# EAGLE board UI&KeyHolder&F7-order (EAGLE 9.4.0) (continued)
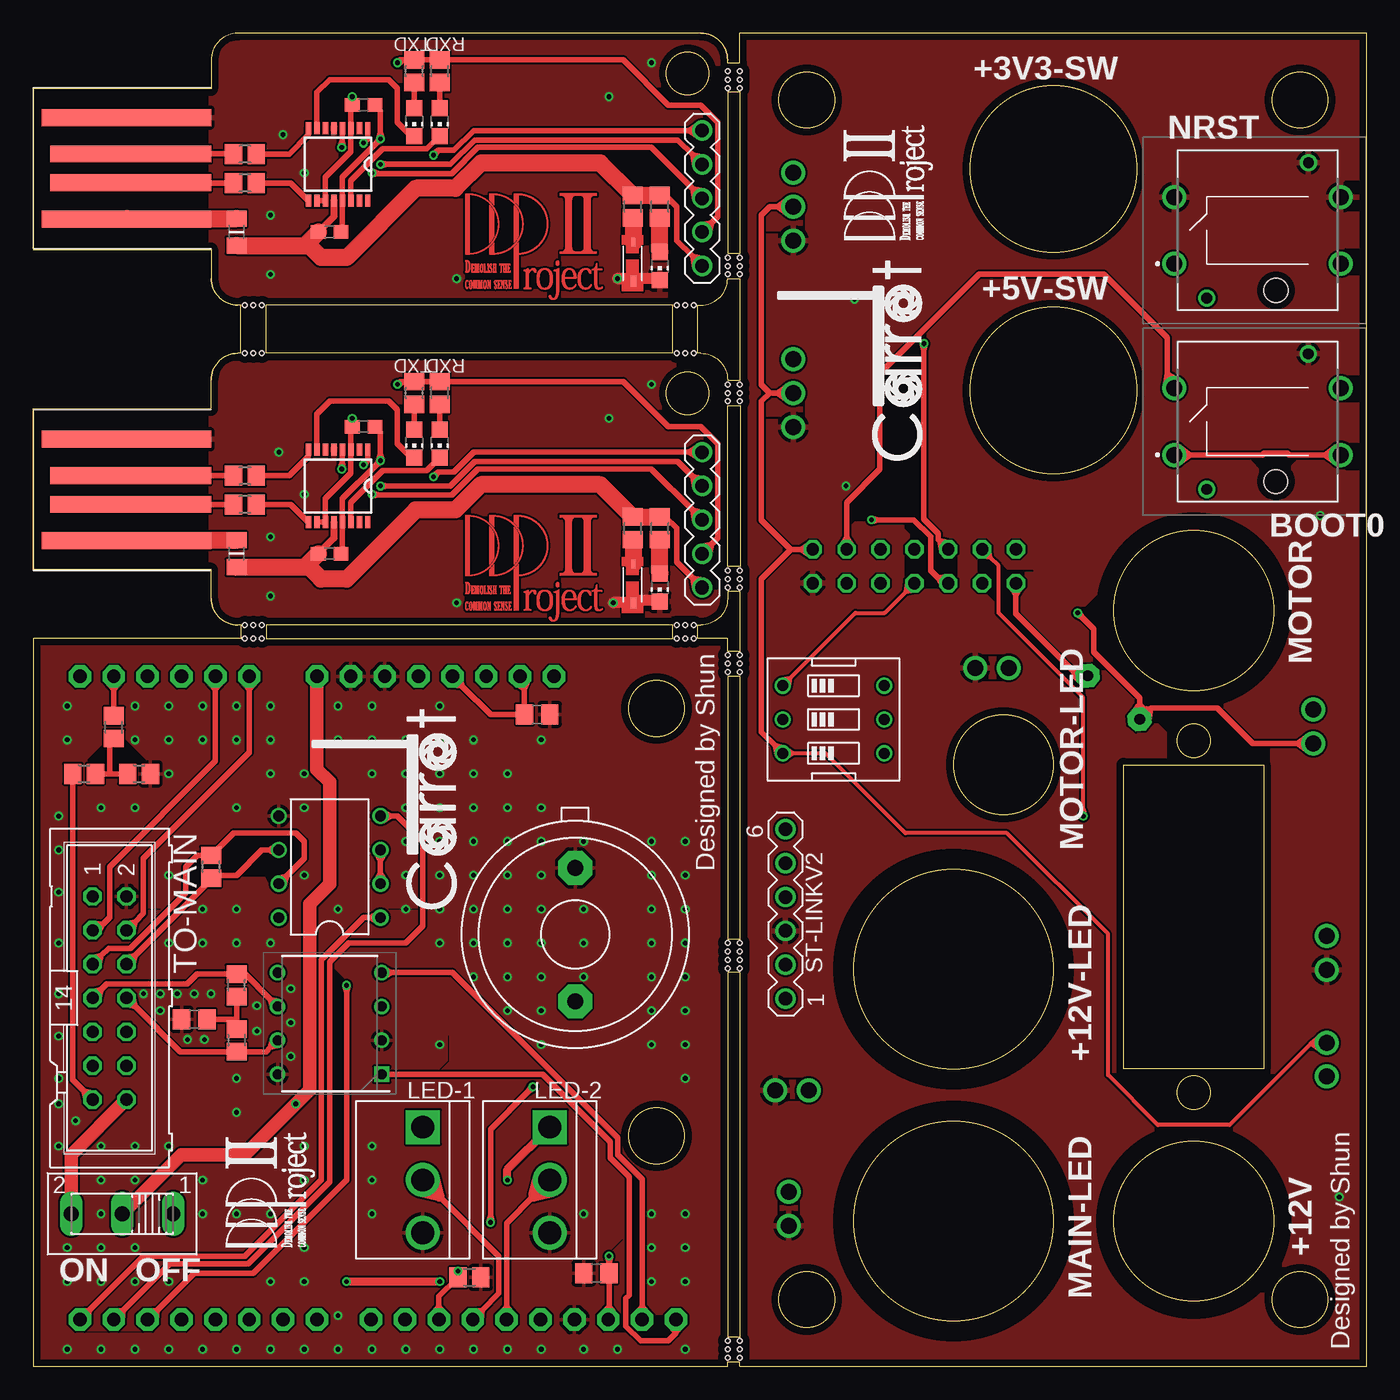
[diagram p0: board, top side]
## Tracks (layer width: path | path; a pad name or v marks a point on that pad's centre or on a via) (continued)
+5VS
  Top 0.305: SW1.1 56.78,51.63 | 56.78,51.63 61.66,56.52 63.85,56.52 65.43,58.1 | 65.43,58.1 TO-MAIN2.7 | 56.78,51.63 56.12,51.51 SW1.1 | 56.78,51.63 56.65,50.98 SW1.1 | 65.43,58.1 66.17,58.22 TO-MAIN2.7 | 65.43,58.1 65.55,58.83 TO-MAIN2.7
+9V  (via drill 0.35)
  Top 0.61: v30.48,6.35 SJ3.1
  Top 1.016: S1.2 11.11,15.88 15.88,15.88 v19.68,19.68 20.73,20.73 20.73,34.7 22.23,36.2 22.23,43.81 21.27,44.77 U$1.VIN
  Bottom 0.61: SJ1.1 v30.48,6.35 | SJ3.1 22.86,6.99 22.86,16.51 v19.68,19.68
  other vias: 23.5,6.35
+12V
  Top 1.016: TO-MAIN.14 2.86,15.88 S1.3
BOOT0
  Top 0.406: S3.1 86.77,68.38 | 86.77,68.38 92.19,68.38 92.31,68.49 94.06,68.49 94.18,68.38 96.86,68.38 | 96.86,68.38 S3.2 | 86.77,68.38 85.97,68.94 S3.1 | 86.77,68.38 85.97,67.81 S3.1 | 96.86,68.38 97.66,67.81 S3.2 | 96.86,68.38 97.66,68.94 S3.2
  Bottom 0.406: STM-R2.1 98.06,65.55 98.06,67.17 | 98.06,67.17 S3.2 | TO-MAIN2.8 66.73,61.93 | 66.73,61.93 68.3,63.5 77.47,63.5 82.34,68.38 84.36,68.38 | 84.36,68.38 S3.1 | 84.36,68.38 85.16,67.81 S3.1 | 84.36,68.38 85.16,68.94 S3.1 | 98.06,67.17 98.63,67.97 S3.2 | 98.06,67.17 97.5,67.97 S3.2 | 66.73,61.93 65.97,61.76 TO-MAIN2.8 | 66.73,61.93 66.55,61.17 TO-MAIN2.8
BUZZER1  (via drill 0.35)
  Top 0.406: U$1.PA11 30.42,4.49 | 30.42,4.49 30.42,5.23 31.8,6.61 | 31.8,6.61 BUZ-R1.1 | v34.29,10.79 34.29,11.32 | 34.29,11.32 34.29,17.78 37.09,20.58 | 37.09,20.58 v37.47,20.95 | 31.8,6.61 31.97,7.09 v31.85,7.13 31.73,7.12 31.8,6.61 | 34.29,11.32 34.17,10.82 v34.29,10.79 | 34.29,11.32 34.41,10.82 v34.29,10.79 | 37.09,20.58 37.53,20.85 v37.47,20.95 | 37.09,20.58 37.36,21.02 v37.47,20.95 | 30.42,4.49 29.93,3.9 U$1.PA11 | 30.42,4.49 30.91,3.9 U$1.PA11
  Top 0.61: BUZ-R1.1 v31.85,7.13
  Bottom 0.406: v31.85,7.13 31.85,7.66 | 31.85,7.66 31.85,8.36 33.92,10.42 | 33.92,10.42 v34.29,10.79 | v37.47,20.95 37.84,21.33 | 37.84,21.33 40.64,24.13 40.64,26.19 SG1.1 | 31.85,7.66 31.73,7.16 v31.85,7.13 | 31.85,7.66 31.97,7.16 v31.85,7.13 | 33.92,10.42 34.35,10.69 v34.29,10.79 | 33.92,10.42 34.18,10.86 v34.29,10.79 | 37.84,21.33 37.4,21.06 v37.47,20.95 | 37.84,21.33 37.57,20.89 v37.47,20.95
  Bottom 0.813: 40.64,26.19 41.24,26.76 SG1.1 40.04,26.76 40.64,26.19
CAN1-RX
  Top 0.406: 48.2,2.49 48.2,2.48 47.62,1.91 45.56,1.91 44.45,3.01 44.45,5.08 44.69,5.32 44.69,14.21 43.26,15.64 43.26,16.84 38.19,21.91 IC4.1 | 48.2,2.49 U$1.PB8 | 48.2,2.49 48.69,3.09 U$1.PB8 | 48.2,2.49 47.71,3.09 U$1.PB8
CAN1-TX
  Top 0.406: 45.66,4.49 45.66,14.03 43.81,15.88 43.81,17.14 31.43,29.53 26.89,29.53 | 45.66,4.49 U$1.PB9 | IC4.4 26.89,29.53 | 45.66,4.49 45.17,3.9 U$1.PB9 | 45.66,4.49 46.15,3.9 U$1.PB9 | 26.89,29.53 26.32,29.85 IC4.4 | 26.89,29.53 26.32,29.2 IC4.4
CAN-H
  Top 0.406: TO-MAIN.8 7.63,26.98 | 7.63,26.98 11.01,23.6 CAN-R1.2 17.47,23.6 17.78,23.91 | 17.78,23.91 IC4.7 | 7.63,26.98 7.46,27.73 TO-MAIN.8 | 7.63,26.98 6.88,27.15 TO-MAIN.8 | 17.78,23.91 18.42,24.08 IC4.7 | 17.78,23.91 17.96,24.55 IC4.7
CAN-L
  Top 0.406: TO-MAIN.7 5.09,28.27 | 5.09,28.27 5.51,28.69 11.54,28.69 12.28,29.43 CAN-R2.2 15.88,29.43 17.78,27.52 | 17.78,27.52 IC4.6 | 5.09,28.27 4.33,28.09 TO-MAIN.7 | 5.09,28.27 4.92,27.51 TO-MAIN.7 | 17.78,27.52 17.96,26.89 IC4.6 | 17.78,27.52 18.42,27.35 IC4.6
EMERGENCY
  Top 0.406: U$1.PA4 13.65,50.75 | 13.65,50.75 13.65,45.4 5.71,37.47 5.71,33.66 5.23,33.17 | 5.23,33.17 4.76,32.7 TO-MAIN.3 | 13.65,50.75 14.14,51.35 U$1.PA4 | 13.65,50.75 13.16,51.35 U$1.PA4 | 5.23,33.17 4.45,33.19 TO-MAIN.3 | 5.23,33.17 4.87,32.48 TO-MAIN.3
F7-F4-SIG1
  Bottom 0.406: TO-MAIN.12 7.63,21.9 | 7.63,21.9 16.19,13.34 16.19,4.49 | 16.19,4.49 U$1.PC8 | 7.63,21.9 7.46,22.65 TO-MAIN.12 | 7.63,21.9 6.88,22.07 TO-MAIN.12 | 16.19,4.49 15.7,3.9 U$1.PC8 | 16.19,4.49 16.68,3.9 U$1.PC8
F7-F4-SIG2
  Bottom 0.406: TO-MAIN.11 5.09,21.9 | 5.09,21.9 5.92,21.07 7.67,21.07 13.65,15.09 13.65,4.49 | 13.65,4.49 U$1.PJ0 | 5.09,21.9 4.92,22.65 TO-MAIN.11 | 5.09,21.9 4.33,22.07 TO-MAIN.11 | 13.65,4.49 13.16,3.9 U$1.PJ0 | 13.65,4.49 14.14,3.9 U$1.PJ0
F7-RS-SIG1
  Bottom 0.406: TO-MAIN.10 7.63,24.44 | 7.63,24.44 21.27,10.79 21.27,4.49 | 21.27,4.49 U$1.PJ3 | 7.63,24.44 7.46,25.19 TO-MAIN.10 | 7.63,24.44 6.88,24.61 TO-MAIN.10 | 21.27,4.49 20.78,3.9 U$1.PJ3 | 21.27,4.49 21.76,3.9 U$1.PJ3
F7-RS-SIG2
  Bottom 0.406: TO-MAIN.9 5.09,24.44 | 5.09,24.44 5.92,23.61 7.67,23.61 18.73,12.54 18.73,4.49 | 18.73,4.49 U$1.PF7 | 5.09,24.44 4.92,25.19 TO-MAIN.9 | 5.09,24.44 4.33,24.61 TO-MAIN.9 | 18.73,4.49 18.24,3.9 U$1.PF7 | 18.73,4.49 19.22,3.9 U$1.PF7
GND  (via drill 0.35)
  Bottom 0.406: 25.4,52.7 25.4,50.8 24.77,50.8 24.77,52.7 25.4,52.7 | 25.15,51.18 25.15,52.32 25.02,52.32 25.4,52.7
  other vias: 25.4,16.51 25.4,13.97 20.32,6.35 20.32,8.89 25.4,11.43 41.27,29.21 46.35,29.21 46.35,26.67 46.35,24.13 33.02,29.21 35.56,29.21 35.56,26.67 30.48,24.13 12.7,13.97 2.54,6.35 2.54,8.89 5.08,8.89 7.62,8.89 7.62,6.35 5.08,6.35 30.48,46.99 30.48,49.53 33.02,46.99 30.48,44.45 33.02,44.45 35.56,44.45 22.86,49.53 25.4,49.53 25.4,46.99 22.86,46.99 20.32,44.45 25.4,44.45 10.16,46.99 10.16,49.53 12.7,49.53 15.24,49.53 15.24,46.99 12.7,46.99 10.16,44.45 2.54,49.53 2.54,46.99 5.08,41.91 10.16,36.83 12.7,34.29 15.24,34.29 10.16,31.75 12.7,31.75 15.24,31.75 30.48,36.83 30.48,39.37 33.02,39.37 35.56,39.37 35.56,36.83 33.02,36.83 30.48,34.29 33.02,34.29 35.56,34.29 38.1,36.83 38.1,39.37 38.1,34.29 41.27,39.37 46.35,39.37 46.35,36.83 41.27,34.29 46.35,34.29 48.9,26.67 48.9,29.21 48.9,24.13 38.1,26.67 38.1,29.21 38.1,24.13 41.27,11.43 46.35,11.43 41.27,1.27 43.81,1.27 33.02,1.27 38.1,1.27 35.56,1.27 25.4,1.27 30.48,1.27 27.94,1.27 22.86,3.81 17.78,6.35 12.7,1.27 15.24,1.27 17.78,1.27 2.54,1.27 5.08,1.27 7.62,1.27 10.16,6.35 10.16,1.27 20.32,1.27 15.24,19.05 20.32,16.51 20.32,13.97 15.24,11.43 17.78,11.43 12.7,11.43 5.08,11.43 5.08,16.51 10.16,16.51 7.62,16.51 5.08,13.97 7.62,13.97 15.24,21.59 20.32,36.83 22.86,34.29 15.24,41.91 17.78,46.99 17.78,49.53 17.78,44.45 7.62,46.99 7.62,49.53 7.62,41.91 27.94,46.99 27.94,44.45 30.48,41.91 33.02,41.91 35.56,41.91 27.94,36.83 27.94,39.37 27.94,34.29 20.32,41.91 17.78,31.75 46.35,8.89 46.35,6.35 48.9,6.35 48.9,8.89 30.48,31.75 33.02,31.75 35.56,31.75 41.27,31.75 46.35,31.75 38.1,31.75 48.9,36.83 48.9,39.37 48.9,34.29 48.9,31.75 38.1,46.99 38.1,41.91 27.94,41.91 48.9,21.59 48.9,11.43 48.9,1.27 13.34,27.94 10.79,27.94 8.26,27.94 9.53,26.67 12.83,24.51 11.56,24.51 12.06,27.94 9.53,27.94 16.76,27.05 16.76,25.15 19.3,25.78 19.3,23.24 19.3,28.32 1.91,27.94 1.91,31.75 1.91,35.56 1.91,38.73 1.91,41.27 1.91,24.77 1.91,21.59 1.91,19.68 1.91,16.51 3.17,18.41 22.86,1.27
  pour Top: 0,54.61 52.07,54.61 52.07,0 0,0
  pour Bottom: 0,54.61 51.44,54.61 51.44,0 0,0
GND2  (via drill 0.35)
  Bottom 0.406: STM-R2.2 97.05,63.81 | 97.05,63.81 v96.52,63.81 | 3V3-FET.2 60,79.05 61,80.05 | R4.1 61,80.05 | 61,80.05 61.07,80.05 | 61.07,80.05 v61.59,80.05 | 5V-FET.2 59.97,65.05 60.59,65.67 | R3.1 61,66.56 | 61,66.56 61,66.08 v60.96,66.04 | 60.59,65.67 v60.96,66.04 | v97.95,12.7 97.95,13.22 | 97.95,13.22 R1.1 | 12V-FET.2 97.95,12.18 | 97.95,12.18 v97.95,12.7 | 97.05,63.81 96.55,63.94 v96.52,63.81 | 97.05,63.81 96.55,63.69 v96.52,63.81 | 61.07,80.05 61.57,79.93 v61.59,80.05 | 61.07,80.05 61.57,80.17 v61.59,80.05 | 61,66.56 60.84,66.08 v60.96,66.04 | 61,66.56 61.08,66.06 v60.96,66.04 | 60.59,65.67 61.02,65.93 v60.96,66.04 | 60.59,65.67 60.85,66.11 v60.96,66.04 | 97.95,13.22 97.83,12.73 v97.95,12.7 | 97.95,13.22 98.07,12.73 v97.95,12.7 | 97.95,12.18 98.07,12.67 v97.95,12.7 | 97.95,12.18 97.83,12.67 v97.95,12.7
  pour Top: 52.96,99.69 100.33,99.69 100.33,0 52.96,0
GNDA  (via drill 0.35)
  Top 0.813: 46.99,81.6 v43.81,81.6 44.82,81.6 U$3.CATHODE
  Bottom 0.406: v43.18,95.25 43.55,95.62 | 43.55,95.62 45.72,97.79 45.83,97.79 | 45.83,97.79 v46.35,97.79 | 43.55,95.62 43.12,95.36 v43.18,95.25 | 43.55,95.62 43.29,95.19 v43.18,95.25 | 45.83,97.79 46.33,97.67 v46.35,97.79 | 45.83,97.79 46.33,97.91 v46.35,97.79
  Bottom 0.813: v17.78,81.92 v17.78,86.36 17.78,87 v20.32,89.53 20.32,90.81 v18.73,92.39 | v43.81,81.6 v31.75,81.6
  pour Top: 13.34,99.69 52.07,99.69 52.07,79.38 13.34,79.38
GNDA1  (via drill 0.35)
  Top 0.813: 46.99,57.47 45.09,57.47 45.01,57.39 U$11.CATHODE v43.5,57.28
  Bottom 0.406: v43.18,71.12 43.55,71.49 | 43.55,71.49 45.72,73.66 45.83,73.66 | 45.83,73.66 v46.35,73.66 | 43.55,71.49 43.12,71.23 v43.18,71.12 | 43.55,71.49 43.29,71.06 v43.18,71.12 | 45.83,73.66 46.33,73.54 v46.35,73.66 | 45.83,73.66 46.33,73.78 v46.35,73.66
  Bottom 0.813: v17.78,57.78 v17.78,62.23 17.78,62.87 v20.32,65.41 20.32,66.67 v18.41,68.58 | v43.5,57.28 v31.75,57.28
  pour Top: 13.34,75.56 52.07,75.56 52.07,55.56 13.34,55.56
HUMAN1
  Top 0.406: TO-MAIN.4 7.63,33.35 | 7.63,33.35 8.26,33.97 8.26,38.1 16.19,46.04 16.19,50.75 | 16.19,50.75 U$1.PA6 | 7.63,33.35 6.88,33.17 TO-MAIN.4 | 7.63,33.35 7.46,32.59 TO-MAIN.4 | 16.19,50.75 16.68,51.35 U$1.PA6 | 16.19,50.75 15.7,51.35 U$1.PA6
LED1
  Top 0.406: U$1.PB15 33.66,4.2 | 33.66,4.2 34.92,5.46 34.92,8.26 30.41,12.77 LED-1.2 | 33.66,4.2 32.9,4.12 U$1.PB15 | 33.66,4.2 33.59,3.43 U$1.PB15
  Top 0.813: 30.41,12.77 30.05,14.18 LED-1.2 29,13.13 30.41,12.77
LED2
  Top 0.406: LED-2.2 37.53,12.77 35.5,10.73 35.5,4.49 | U$1.PB14 35.5,4.49 | 35.5,4.49 35.01,3.9 U$1.PB14 | 35.5,4.49 35.99,3.9 U$1.PB14
  Top 0.813: 37.53,12.77 38.95,13.13 LED-2.2 37.89,14.18 37.53,12.77
LIPO
  Top 0.406: TO-MAIN.13 3.8,20.65 | 3.8,20.65 2.96,21.49 BAT-R1.1 | 3.8,20.65 3.98,19.89 TO-MAIN.13 | 3.8,20.65 4.55,20.47 TO-MAIN.13
LIPO2  (via drill 0.35)
  Top 0.406: 94.8,46.73 91.45,46.73 88.79,49.39 83.83,49.39 83.55,49.11 USB-POLY.1 82.97,49.34 82.97,50.14 79.53,53.59 79.53,55.32 78.71,56.14 | 94.8,46.73 MOTOR-KEY.P$1 | v78.33,56.52 78.71,56.14 | 78.71,56.14 78.44,56.58 v78.33,56.52 | 78.71,56.14 78.27,56.41 v78.33,56.52 | 94.8,46.73 95.59,46.16 MOTOR-KEY.P$1 | 94.8,46.73 95.59,47.3 MOTOR-KEY.P$1
  Top 0.813: USB-POLY.1 82.58,48.82 82.97,49.34 83.36,48.82 USB-POLY.1 | USB-POLY.1 82.9,49.01 83.55,49.11 83.45,48.46 USB-POLY.1
  Bottom 0.406: LED-R1.1 59.69,17.46 59.69,31.75 60.88,32.94 60.92,33.04 60.96,33.16 60.96,52.07 65.41,56.52 77.81,56.52 | 77.81,56.52 v78.33,56.52 | 77.81,56.52 78.31,56.39 v78.33,56.52 | 77.81,56.52 78.31,56.64 v78.33,56.52
LIPO-ADC
  Top 0.406: U$1.PF8 6.03,50.75 | 6.03,50.75 BAT-JP1.2 | 6.03,50.75 6.52,51.35 U$1.PF8 | 6.03,50.75 5.54,51.35 U$1.PF8
MOTOR-FET
  Bottom 0.406: 78.11,61.28 78.22,61.28 79.81,59.69 79.81,56.63 LED-R2.1 | 78.11,61.28 74.61,61.28 | 74.61,61.28 TO-MAIN2.2 | MOTOR-KEY.P$2 95.15,50.12 | 95.15,50.12 94.25,51.02 94.25,59.73 90.06,63.91 80.73,63.91 78.11,61.28 | 74.61,61.28 73.95,61.7 TO-MAIN2.2 | 74.61,61.28 73.95,60.88 TO-MAIN2.2 | 95.15,50.12 95.31,49.16 MOTOR-KEY.P$2 | 95.15,50.12 96.11,49.96 MOTOR-KEY.P$2
N$1  (via drill 0.35)
  Top 0.61: v35.56,13.97 35.56,14.76 LED-2.1
  Bottom 0.61: SJ1.2 v35.56,13.97
N$2
  Bottom 0.406: R2.1 60.97,84.98 R4.2 60.19,84.95 58.1,82.86 3V3-FET.1
N$3
  Bottom 0.406: R5.1 R3.2 59.47,69.95 58.1,68.58 5V-FET.1
N$4
  Top 0.406: CAN-R1.1 15.24,26.04 | 15.24,26.04 CAN-R2.1 | 15.24,26.04 CAN-C1.2
N$5
  Top 0.406: IC1.8 20.64,68.26 19.18,66.8 FT-R9.1
N$6
  Bottom 0.406: SW1.6 63.83,50.25 | 63.83,50.25 63.83,49.33 | 63.83,49.33 SW1.5 | SW1.5 63.83,47.71 | 63.83,47.71 63.83,46.79 | 63.83,46.79 SW1.4 | SW1.4 64.4,45.41 | 64.4,45.41 69.8,40.01 75.56,40.01 79.69,44.13 79.69,45.09 80.96,46.35 82.69,46.35 85.72,49.39 89.74,49.39 93.5,45.63 93.5,35.77 96.15,33.12 | 96.15,33.12 VOLTAGE.P$1 | 63.83,46.79 63.47,46.18 SW1.4 | 63.83,46.79 64.18,46.18 SW1.4 | 64.4,45.41 64.22,46.09 SW1.4 | 64.4,45.41 63.72,45.59 SW1.4 | 63.83,49.33 63.47,48.72 SW1.5 | 63.83,49.33 64.18,48.72 SW1.5 | 63.83,47.71 64.18,48.32 SW1.5 | 63.83,47.71 63.47,48.32 SW1.5 | 63.83,50.25 64.18,50.86 SW1.6 | 63.83,50.25 63.47,50.86 SW1.6 | 96.15,33.12 96.31,32.16 VOLTAGE.P$1 | 96.15,33.12 97.11,32.96 VOLTAGE.P$1
N$7
  Bottom 0.406: R6.1 R1.2 12V-FET.1
N$8
  Bottom 0.406: R6.2 97.95,20.78 97.85,20.88 | 97.85,20.88 12V-KEY.P$2 | 97.85,20.88 97.69,21.84 12V-KEY.P$2 | 97.85,20.88 96.89,21.04 12V-KEY.P$2
N$9
  Bottom 0.406: 3V3-SW.P$1 58.2,89.54 | 58.2,89.54 60.51,89.54 R2.2 | 58.2,89.54 57.41,90.11 3V3-SW.P$1 | 58.2,89.54 57.41,88.97 3V3-SW.P$1
N$10
  Bottom 0.406: 5V-SW.P$1 58.2,75.54 | 58.2,75.54 59.41,75.54 R5.2 | 58.2,75.54 57.41,76.11 5V-SW.P$1 | 58.2,75.54 57.41,74.97 5V-SW.P$1
N$11
  Bottom 0.406: S4.ANODE 88.58,80.7 | 88.58,80.7 91.69,83.82 SW-R1.2 | 88.58,80.7 87.92,80.58 S4.ANODE | 88.58,80.7 88.45,80.05 S4.ANODE
N$12
  Bottom 0.406: S3.ANODE 88.57,66.36 | 88.57,66.36 91.42,69.22 SW-R2.2 | 88.57,66.36 87.92,66.23 S3.ANODE | 88.57,66.36 88.44,65.71 S3.ANODE
N$13
  Top 0.406: TO-MAIN2.1 73.7,57.83 | 73.7,57.83 73.7,56.48 78.27,51.9 78.38,51.8 USB-POLY.2 | 73.7,57.83 74.11,58.49 TO-MAIN2.1 | 73.7,57.83 73.29,58.49 TO-MAIN2.1
  Top 0.813: 78.27,51.9 78.75,51.45 USB-POLY.2 78.84,52.22 78.27,51.9
N$14
  Bottom 0.406: LED-R1.2 58.17,17.08
  Bottom 0.61: 58.17,17.08 58.17,14.6 57.51,13.93 | 57.51,13.93 LIPO-LED.P$1 | 57.51,13.93 56.5,13.66 LIPO-LED.P$1 | 57.51,13.93 57.23,12.93 LIPO-LED.P$1
N$15
  Bottom 0.406: LED-R2.2 74.18,51.76 | 74.18,51.76 73.81,51.76 MOTOR-LED.P$1 | 74.18,51.76 73.82,52.66 MOTOR-LED.P$1 | 74.18,51.76 73.21,51.7 MOTOR-LED.P$1
N$16
  Bottom 0.406: LED-R3.2 58.17,24.7 58.17,21.89 | 58.17,21.89 12V-LED.P$1 | 58.17,21.89 57.6,21.1 12V-LED.P$1 | 58.17,21.89 58.74,21.1 12V-LED.P$1
N$17
  Top 0.406: IC1.9 19.32,64.64 FT-R10.1
N$18
  Top 0.406: FT-R8.1 RX-LED1.A
N$19
  Top 0.406: FT-R2.1 RX-LED.A
N$20
  Top 0.406: TX-LED.A FT-R1.1
N$21
  Top 0.406: TX-LED1.A FT-R7.1
N$22
  Top 0.406: U$2.D+ 15,90.95 FT-R3.2
N$23
  Top 0.406: IC3.8 20.64,92.39 19.18,90.93 FT-R3.1
N$24
  Top 0.406: IC3.9 19.32,88.77 FT-R4.1
N$25
  Top 0.406: U$2.D- 7.32,88.77 FT-R4.2
N$26  (via drill 0.35)
  Top 0.406: C1.2 23.18,85.19 IC3.13 23.18,89.22 25.66,91.7 | v26.04,92.08 26.04,92.6 | 26.04,92.6 26.04,94.19 C2.2 | 25.66,91.7 v26.04,92.08 | 49.15,92.71 33.02,92.71 31.52,91.22 30.38,91.22 | 49.15,92.71 SV1.5 | v30,90.85 30.37,91.22 30.38,91.22 | 26.04,92.6 25.91,92.1 v26.04,92.08 | 26.04,92.6 26.16,92.1 v26.04,92.08 | 25.66,91.7 26.1,91.97 v26.04,92.08 | 25.66,91.7 25.93,92.14 v26.04,92.08 | 30.38,91.22 29.94,90.96 v30,90.85 | 30.38,91.22 30.11,90.79 v30,90.85 | 49.15,92.71 49.86,92.24 SV1.5 | 49.15,92.71 49.86,93.18 SV1.5
  Bottom 0.406: v30,90.85 29.48,90.85 | 29.48,90.85 27.26,90.85 26.41,91.7 | 26.41,91.7 v26.04,92.08 | 26.41,91.7 26.14,92.14 v26.04,92.08 | 26.41,91.7 25.97,91.97 v26.04,92.08 | 29.48,90.85 29.98,90.73 v30,90.85 | 29.48,90.85 29.98,90.97 v30,90.85
N$27
  Top 1.27: U$2.VCC 7.03,86.11 USB-POLY1.2
N$28
  Top 1.27: LED3.A FT-R5.1
N$29
  Top 1.27: FT-R6.1 45.01,86.09 U$3.ANODE
N$30
  Top 0.406: U$10.D+ 15,66.82 FT-R9.2
N$31
  Top 0.406: U$10.D- 7.32,64.64 FT-R10.2
N$32  (via drill 0.35)
  Top 0.406: C3.2 23.18,61.06 IC1.13 23.18,65.09 25.66,67.57 | v26.04,67.94 26.04,68.47 | 26.04,68.47 26.04,70.06 C4.2 | 25.66,67.57 v26.04,67.94 | 49.15,68.58 33.02,68.58 31.52,67.08 30.38,67.08 | 49.15,68.58 SV2.5 | v30,66.72 30.37,67.08 30.38,67.08 | 26.04,68.47 25.91,67.97 v26.04,67.94 | 26.04,68.47 26.16,67.97 v26.04,67.94 | 25.66,67.57 26.1,67.84 v26.04,67.94 | 25.66,67.57 25.93,68.01 v26.04,67.94 | 30.38,67.08 29.94,66.83 v30,66.72 | 30.38,67.08 30.11,66.66 v30,66.72 | 49.15,68.58 49.86,68.11 SV2.5 | 49.15,68.58 49.86,69.05 SV2.5
  Bottom 0.406: v30,66.72 29.48,66.72 | 29.48,66.72 27.26,66.72 26.41,67.57 | 26.41,67.57 v26.04,67.94 | 26.41,67.57 26.14,68.01 v26.04,67.94 | 26.41,67.57 25.97,67.84 v26.04,67.94 | 29.48,66.72 29.98,66.6 v30,66.72 | 29.48,66.72 29.98,66.84 v30,66.72
N$33
  Top 1.27: U$10.VCC 7.03,61.98 USB-POLY2.2
N$34
  Top 1.27: LED1.A FT-R11.1
N$35
  Top 1.27: FT-R12.1 45.01,61.96 U$11.ANODE
N$36
  Top 0.406: BAT-R1.2 5.71,44.45 | BAT-R2.1 5.71,44.45 | 5.71,44.45 5.71,46.77 BAT-JP1.1
N$37
  Bottom 0.61: LED-1.1 26.67,15.39 26.67,6.99 SJ3.2
NRST
  Bottom 0.406: 63.98,62.35 63.1,62.35 62.35,61.6 62.35,61.13 61.02,59.81 60.56,59.81 59.81,59.06 59.81,58.54 58.42,57.15 58.42,39.75 57.13,38.46 | 63.98,62.35 64.61,61.73 64.61,60.84 63.54,59.78 63.54,59.66 | 63.54,59.66 TO-MAIN2.9 | 63.98,62.35 63.98,72.87 73.03,81.92 84.68,81.92 | S4.1 84.77,81.92 84.68,81.92 | S4.1 86.42,83.57 | 86.42,83.57 88.58,85.72 95.06,85.72 97.22,83.57 | 97.22,83.57 S4.2 | ST-LINKV2.5 57.13,38.46 | STM-R1.1 98.06,81.52 | 98.06,81.52 S4.2 | 57.13,38.46 56.3,38.29 ST-LINKV2.5 | 57.13,38.46 56.96,37.63 ST-LINKV2.5 | 63.54,59.66 63.13,59 TO-MAIN2.9 | 63.54,59.66 63.95,59 TO-MAIN2.9 | 84.68,81.92 85.65,82.03 S4.1 | 84.68,81.92 84.89,82.87 S4.1 | 86.42,83.57 85.46,83.4 S4.1 | 86.42,83.57 86.26,82.6 S4.1 | 97.22,83.57 97.38,82.6 S4.2 | 97.22,83.57 98.19,83.4 S4.2 | 98.06,81.52 98.64,82.31 S4.2 | 98.06,81.52 97.5,82.32 S4.2
RS-CHA
  Top 0.406: TO-MAIN.6 7.63,30.81 | 7.63,30.81 13.34,36.51 RS485-S.1 13.55,36.83 15.24,36.83 17.14,38.73 17.6,38.73 | 17.6,38.73 IC2.6 | 7.63,30.81 6.88,30.63 TO-MAIN.6 | 7.63,30.81 7.46,30.05 TO-MAIN.6 | 17.6,38.73 18.21,38.38 IC2.6 | 17.6,38.73 18.21,39.09 IC2.6
RS-CHB
  Top 0.406: TO-MAIN.5 5.09,30.81 | 5.09,30.81 5.64,31.36 7.27,31.36 11.43,35.51 11.43,37.47 12.28,38.31 RS485-S.2 15.03,40.01 19.68,40.01 20.32,39.37 20.32,38.1 18.99,36.77 | IC2.7 18.99,36.77 | 5.09,30.81 4.33,30.63 TO-MAIN.5 | 5.09,30.81 4.92,30.05 TO-MAIN.5 | 18.99,36.77 18.31,36.59 IC2.7 | 18.99,36.77 18.81,36.09 IC2.7
RS-SIG  (via drill 0.35)
  Top 0.406: U$1.PJ1 9.28,4.2 | 9.28,4.2 12.06,6.99 16.51,6.99 23.5,13.97 23.5,28.05 | IC2.2 26.04,37.01 | 26.04,37.01 26.04,37.92 | 26.04,37.92 IC2.3 | 23.5,28.05 v23.5,28.57 | 23.5,28.05 23.62,28.55 v23.5,28.57 | 23.5,28.05 23.37,28.55 v23.5,28.57 | 9.28,4.2 8.51,4.12 U$1.PJ1 | 9.28,4.2 9.2,3.43 U$1.PJ1 | 26.04,37.92 26.39,38.53 IC2.3 | 26.04,37.92 25.68,38.53 IC2.3 | 26.04,37.01 25.68,36.4 IC2.2 | 26.04,37.01 26.39,36.4 IC2.2
  Bottom 0.406: IC2.2 25.46,35.62 | 25.46,35.62 22.86,33.02 22.86,29.21 23.12,28.95 | 23.12,28.95 v23.5,28.57 | 23.12,28.95 23.39,28.51 v23.5,28.57 | 23.12,28.95 23.56,28.68 v23.5,28.57 | 25.46,35.62 26.14,35.8 IC2.2 | 25.46,35.62 25.64,36.3 IC2.2
RXD  (via drill 0.35)
  Top 0.406: IC3.4 23.18,91.96 | 23.18,91.96 23.18,91.49 v23.13,91.44 | 49.45,88.35 46.36,91.44 33.33,91.44 31.37,89.48 25.92,89.48 | 49.45,88.35 SV1.3 | v25.4,89.53 25.45,89.48 25.92,89.48 | 23.18,91.96 23.01,91.48 v23.13,91.44 | 23.18,91.96 23.25,91.46 v23.13,91.44 | 25.92,89.48 25.44,89.65 v25.4,89.53 | 25.92,89.48 25.42,89.41 v25.4,89.53 | 49.45,88.35 49.62,87.52 SV1.3 | 49.45,88.35 50.28,88.18 SV1.3
  Bottom 0.406: v25.4,89.53 25.04,89.53 24.89,89.67 | 24.89,89.67 23.5,91.07 | 23.5,91.07 v23.13,91.44 | 23.5,91.07 23.24,91.5 v23.13,91.44 | 23.5,91.07 23.07,91.33 v23.13,91.44 | 24.89,89.67 25.34,89.43 v25.4,89.53 | 24.89,89.67 25.4,89.66 v25.4,89.53
RXD1  (via drill 0.35)
  Top 0.406: IC1.4 23.18,67.83 | 23.18,67.83 23.18,67.36 v23.13,67.31 | 49.45,64.22 46.36,67.31 33.33,67.31 31.37,65.35 25.92,65.35 | 49.45,64.22 SV2.3 | v25.4,65.41 25.45,65.35 25.92,65.35 | 23.18,67.83 23.01,67.35 v23.13,67.31 | 23.18,67.83 23.25,67.33 v23.13,67.31 | 25.92,65.35 25.44,65.52 v25.4,65.41 | 25.92,65.35 25.42,65.28 v25.4,65.41 | 49.45,64.22 49.62,63.39 SV2.3 | 49.45,64.22 50.28,64.05 SV2.3
  Bottom 0.406: v25.4,65.41 25.04,65.41 24.89,65.55 | 24.89,65.55 23.5,66.94 | 23.5,66.94 v23.13,67.31 | 23.5,66.94 23.24,67.38 v23.13,67.31 | 23.5,66.94 23.07,67.2 v23.13,67.31 | 24.89,65.55 25.34,65.3 v25.4,65.41 | 24.89,65.55 25.4,65.53 v25.4,65.41
RXLED
  Top 0.406: RX-LED.C 29.52,91.34 26.22,91.34 23.81,88.94 IC3.14
RXLED1
  Top 0.406: RX-LED1.C 29.52,67.21 26.22,67.21 23.81,64.81 IC1.14
SWCLK
  Bottom 0.406: ST-LINKV2.2 57.13,30.84 | 57.13,30.84 59.69,33.4 59.69,55.88 62.23,58.42 62.23,59.98 62.89,60.64 | 62.89,60.64 TO-MAIN2.10 | 57.13,30.84 56.3,30.67 ST-LINKV2.2 | 57.13,30.84 56.96,30.01 ST-LINKV2.2 | 62.89,60.64 63.65,60.81 TO-MAIN2.10 | 62.89,60.64 63.07,61.4 TO-MAIN2.10
SWDIO
  Bottom 0.406: ST-LINKV2.4 57.13,35.92 | 57.13,35.92 59.05,37.84 59.05,56.8 60.35,58.1 | 60.35,58.1 TO-MAIN2.11 | 57.13,35.92 56.3,35.75 ST-LINKV2.4 | 57.13,35.92 56.96,35.09 ST-LINKV2.4 | 60.35,58.1 61.11,58.27 TO-MAIN2.11 | 60.35,58.1 60.53,58.85 TO-MAIN2.11
TXD  (via drill 0.35)
  Top 0.406: IC3.1 25.08,92.18 | 25.08,92.18 25.08,92.09 v24.76,91.76 | 49.45,90.89 48.34,92 33.1,92 31.27,90.17 26.56,90.17 | 49.45,90.89 SV1.4 | 26.56,90.17 v26.04,90.17 | 25.08,92.18 24.68,91.86 v24.76,91.76 | 25.08,92.18 24.87,91.71 v24.76,91.76 | 26.56,90.17 26.06,90.29 v26.04,90.17 | 26.56,90.17 26.06,90.05 v26.04,90.17 | 49.45,90.89 49.62,90.06 SV1.4 | 49.45,90.89 50.28,90.72 SV1.4
  Bottom 0.406: v26.04,90.17 25.66,90.54 | 25.66,90.54 24.93,91.27 | 24.93,91.27 24.76,91.45 v24.76,91.76 | 24.93,91.27 24.88,91.78 v24.76,91.76 | 24.93,91.27 24.66,91.7 v24.76,91.76 | 25.66,90.54 25.93,90.11 v26.04,90.17 | 25.66,90.54 26.1,90.28 v26.04,90.17
TXD1  (via drill 0.35)
  Top 0.406: IC1.1 25.08,68.05 | 25.08,68.05 25.08,67.96 v24.76,67.63 | 49.45,66.76 48.34,67.87 33.1,67.87 31.27,66.04 26.56,66.04 | 49.45,66.76 SV2.4 | 26.56,66.04 v26.04,66.04 | 25.08,68.05 24.68,67.73 v24.76,67.63 | 25.08,68.05 24.87,67.58 v24.76,67.63 | 26.56,66.04 26.06,66.16 v26.04,66.04 | 26.56,66.04 26.06,65.92 v26.04,66.04 | 49.45,66.76 49.62,65.93 SV2.4 | 49.45,66.76 50.28,66.59 SV2.4
  Bottom 0.406: v26.04,66.04 25.66,66.41 | 25.66,66.41 24.93,67.14 | 24.93,67.14 24.76,67.32 v24.76,67.63 | 24.93,67.14 24.88,67.65 v24.76,67.63 | 24.93,67.14 24.66,67.57 v24.76,67.63 | 25.66,66.41 25.93,65.97 v26.04,66.04 | 25.66,66.41 26.1,66.15 v26.04,66.04
TXLED
  Top 0.406: IC3.7 21.27,95.57 22.23,96.52 26.67,96.52 27.3,95.89 27.3,93.34 28.36,92.3 TX-LED.C
TXLED1
  Top 0.406: IC1.7 21.27,71.44 22.23,72.39 26.67,72.39 27.3,71.75 27.3,69.22 28.36,68.17 TX-LED1.C
USART6-RX
  Top 0.406: U$1.PC7 4.2,4.2 | 4.2,4.2 8.26,8.26 15.88,8.26 21.59,13.97 21.59,30.48 24.77,33.66 25.22,33.66 | 25.22,33.66 IC2.1 | 4.2,4.2 3.43,4.12 U$1.PC7 | 4.2,4.2 4.12,3.43 U$1.PC7 | 25.22,33.66 25.83,33.3 IC2.1 | 25.22,33.66 25.83,34.01 IC2.1
USART6-TX
  Top 0.406: U$1.PC6 6.74,4.2 | 6.74,4.2 10.24,7.7 16.11,7.7 22.23,13.81 22.23,30.32 23.65,31.75 27.94,31.75 29.21,33.02 29.21,39.37 27.3,41.27 26.85,41.27 | 26.85,41.27 IC2.4 | 6.74,4.2 5.97,4.12 U$1.PC6 | 6.74,4.2 6.66,3.43 U$1.PC6 | 26.85,41.27 26.24,41.63 IC2.4 | 26.85,41.27 26.24,40.92 IC2.4
V+
  Top 0.406: SV1.1 49.45,83.27 | 49.45,83.27 48.26,84.45 48.26,87 47.41,87.84 FT-R5.2 | 49.45,83.27 49.62,82.44 SV1.1 | 49.45,83.27 50.28,83.1 SV1.1
  Top 0.508: C1.1 22.54,86.26 IC3.12
  Top 1.27: 20.36,84.07 C1.1 | USB-POLY1.1 20.36,84.07 | 20.36,84.07 20.7,84.07 21.59,83.19 23.5,83.19 28.68,88.37 31.66,88.37 33.56,90.27 42.54,90.27 FT-R6.2 FT-R5.2
V+1
  Top 0.406: SV2.1 49.45,59.14 | 49.45,59.14 48.26,60.33 48.26,62.87 47.41,63.72 FT-R11.2 | 49.45,59.14 49.62,58.31 SV2.1 | 49.45,59.14 50.28,58.97 SV2.1
  Top 0.508: C3.1 22.54,62.13 IC1.12
  Top 1.27: 20.36,59.94 C3.1 | USB-POLY2.1 20.36,59.94 | 20.36,59.94 20.7,59.94 21.59,59.05 23.5,59.05 28.68,64.24 31.66,64.24 33.56,66.14 42.54,66.14 FT-R12.2 FT-R11.2
VCC  (via drill 0.35)
  Top 0.406: U$1.IOREF 36.83,51.43 36.83,50.8 | 36.83,50.8 STM-C1.2 34.29,48.9 32.14,51.05 | 43.18,4.49 STM-C2.2 43.18,7.73 | 43.18,4.49 43.18,3.55 U$1.AVDD | U$1.3V 32.14,51.05 | v43.18,8.26 43.18,7.73 | 43.18,7.73 43.3,8.23 v43.18,8.26 | 43.18,7.73 43.06,8.23 v43.18,8.26 | 32.14,51.05 32.06,51.81 U$1.3V | 32.14,51.05 31.37,51.12 U$1.3V | 43.18,4.49 42.65,3.92 U$1.AVDD | 43.18,4.49 43.63,3.87 U$1.AVDD | 36.83,50.8 37.11,51.53 U$1.IOREF | 36.83,50.8 36.18,51.21 U$1.IOREF
  Bottom 0.406: U$1.3V 32.14,51.05 | 32.14,51.05 43.18,40.01 43.18,19.88 42.38,19.08 42.38,15.47 43.18,14.67 43.18,8.78 | 43.18,8.78 v43.18,8.26 | 43.18,8.78 43.06,8.28 v43.18,8.26 | 43.18,8.78 43.3,8.28 v43.18,8.26 | 32.14,51.05 32.06,51.81 U$1.3V | 32.14,51.05 31.37,51.12 U$1.3V
VDD
  Top 0.305: 12V-KEY.P$1 95.88,24.27 95.8,24.19 | 95.8,24.19 89.72,18.11 84.35,18.11 80.61,21.84 80.61,32.42 73.03,40.01 65.41,40.01 59.43,45.98 57.02,45.98 | 57.02,45.98 SW1.3 | 57.02,45.98 56.46,46.36 SW1.3 | 57.02,45.98 56.46,45.6 SW1.3 | 95.8,24.19 96.57,23.66 12V-KEY.P$1 | 95.8,24.19 96.5,24.82 12V-KEY.P$1
  Top 0.406: 55.24,73 55.8,73 | 55.8,73 5V-SW.P$2 | 3V3-SW.P$2 55.8,87 | 55.8,87 55.24,87 54.61,86.36 54.61,73.64 55.24,73 | TO-MAIN2.14 57.55,61.28 | 57.55,61.28 56.83,61.28 | 56.83,61.28 54.61,63.5 54.61,72.39 55.22,73 55.24,73 | SW1.3 55.63,46.55 | 55.63,46.55 54.61,47.58 54.61,59.07 56.83,61.28 | 55.63,46.55 55.81,45.88 SW1.3 | 55.63,46.55 56.31,46.37 SW1.3 | 57.55,61.28 58.2,60.88 TO-MAIN2.14 | 57.55,61.28 58.2,61.7 TO-MAIN2.14 | 55.8,87 56.59,86.43 3V3-SW.P$2 | 55.8,87 56.59,87.57 3V3-SW.P$2 | 55.8,73 56.59,72.43 5V-SW.P$2 | 55.8,73 56.59,73.57 5V-SW.P$2
  Bottom 0.406: 55.63,45.41 54.22,43.99 54.22,25.79 55.24,24.77 LED-R3.1 | 55.63,45.41 SW1.3 | 55.63,45.41 56.31,45.59 SW1.3 | 55.63,45.41 55.81,46.09 SW1.3

## Text on the board
tPlace: TXD | RXD | +3V3-SW | NRST | +5V-SW | TXD | RXD | BOOT0 | MOTOR | MOTOR-LED | Designed by Shun | +12V-LED | +12V | ON | OFF | MAIN-LED | Designed by Shun
bPlace: Thanks for your support | GND | TXD | RXD | +3V3 | +5V | G | Thanks for your support | GND | TXD | G | RXD | +3V3 | +5V | G | G | G | +12V | +5V | +12V | +5V | G